# Altium PCB SensorControl_Board_v3.0.PcbDoc (continued)
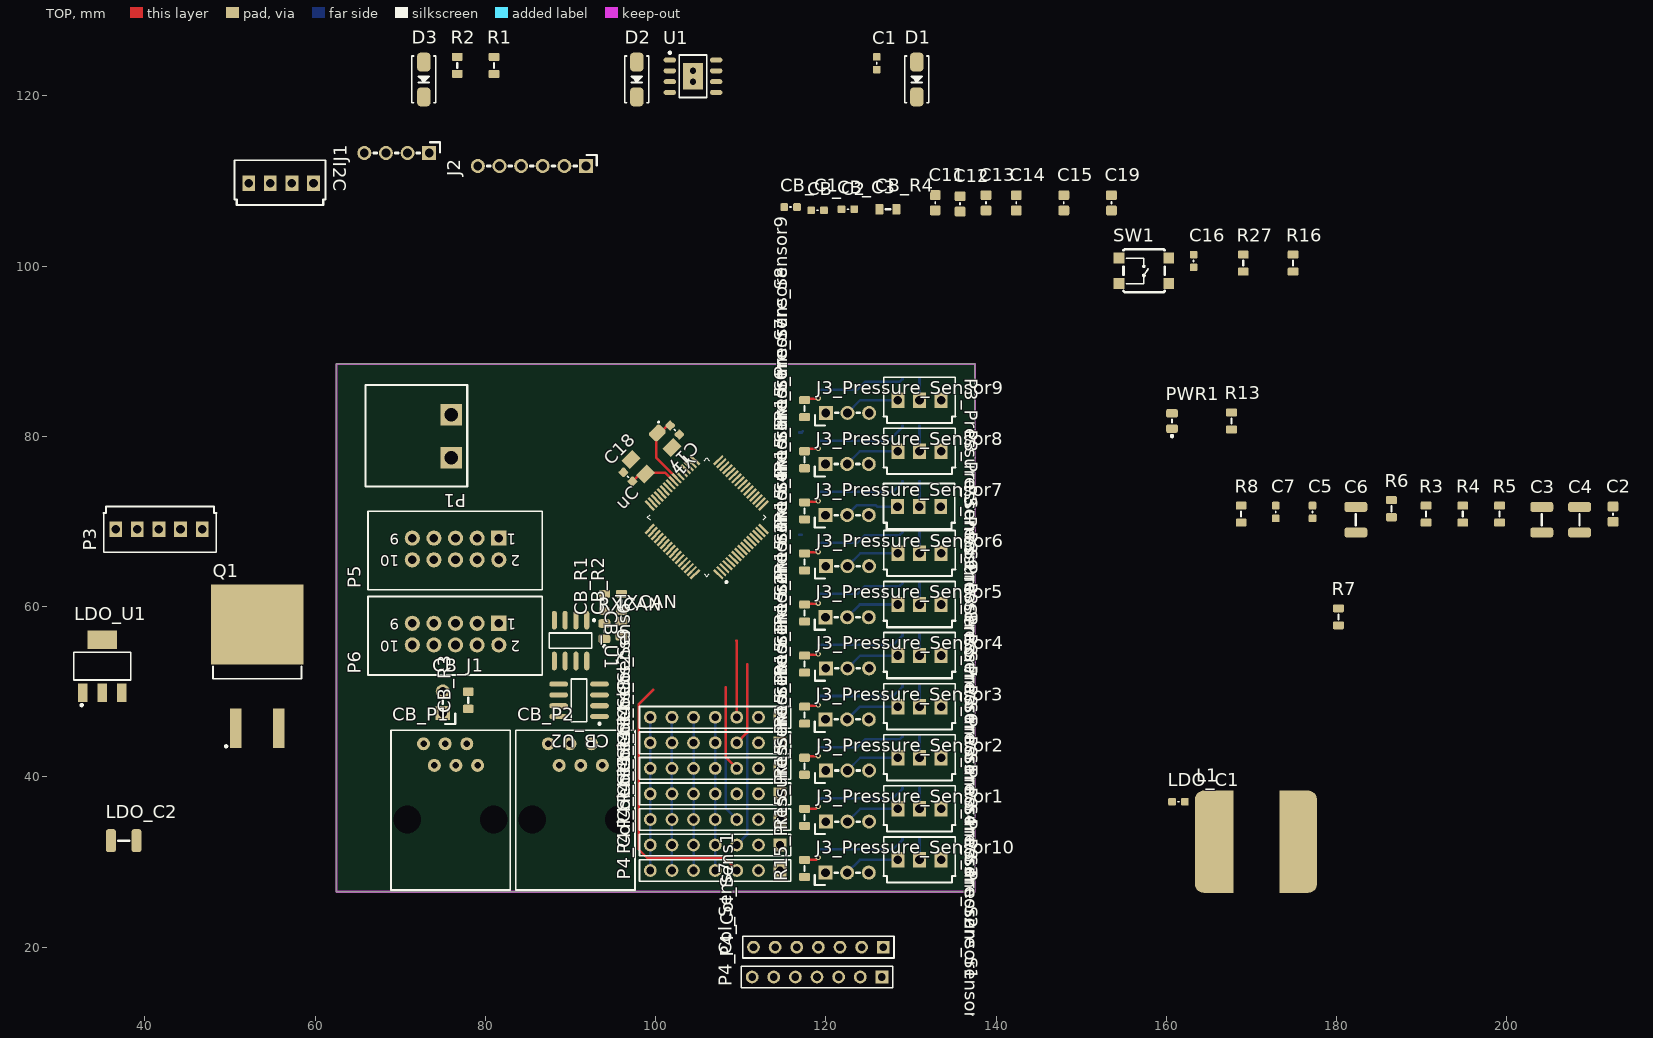
[diagram p0: TOP view]
## Components (designator, comment, footprint, x,y, rotation, side; value= is the part's Value field where it differs from the comment) (continued)
R15_Pressure_Sensor3 "10k" RESC2013X38N-0805-NOOVERLAY 117.5,47.25 r180 top (schematic designator R15)
R15_Pressure_Sensor4 "10k" RESC2013X38N-0805-NOOVERLAY 117.5,53.25 r180 top (schematic designator R15)
R15_Pressure_Sensor5 "10k" RESC2013X38N-0805-NOOVERLAY 117.5,59.25 r180 top (schematic designator R15)
R15_Pressure_Sensor6 "10k" RESC2013X38N-0805-NOOVERLAY 117.5,65.25 r180 top (schematic designator R15)
R15_Pressure_Sensor7 "10k" RESC2013X38N-0805-NOOVERLAY 117.5,71.25 r180 top (schematic designator R15)
R15_Pressure_Sensor8 "10k" RESC2013X38N-0805-NOOVERLAY 117.5,77.25 r180 top (schematic designator R15)
R15_Pressure_Sensor9 "10k" RESC2013X38N-0805-NOOVERLAY 117.5,83.25 r180 top (schematic designator R15)
R15_Pressure_Sensor10 "10k" RESC2013X38N-0805-NOOVERLAY 117.5,29.25 r180 top (schematic designator R15)
R16 "10k" RESC2013X38N-0805-NOOVERLAY 174.879,100.346 r0 top
R27 "1k" RESC2013X38N-0805-NOOVERLAY 169.037,100.346 r0 top
RXCAN "LED GREEN" LED_GREEN_0805 93.977,57.117 r90 top
SW1 "TASTER" TASTER_SMD 157.353,99.457 r0 top
TXCAN "LED GREEN" LED_GREEN_0805 96,57.4 r90 top
U1 "TPS54340" HSOP-8 104.394,122.301 r0 top
uC "" TQFP-64-500um 106,70.5 r45 top
Y1 "8Hz" ABM10 99.5,78 r225 top

## Footprints (in the part's own frame and the unit in brackets; to place one, negate y for a bottom-side part, rotate by r counter-clockwise, add the part's x,y. Pads: shape width x height; smd on the part's side, far side on the other; paste and mask are expansions set on the pad)
ABM10 [mm] "0.098\" L x 0.079\" W (2.50mm x 2.00mm)"
  rrect50% 1.8x1.4 smd: 1(-2.2,-1.2)
  rect 1.8x1.4 smd: 2(2.2,-1.2) 3(2.2,1.2) 4(-2.2,1.2)
  silkscreen extent -3.24,-2.04 -3.16,-1.96, body extent -3,-1.7 3,1.9, height 1.21
BAT54S [mm]
  rect 1.1x0.6 smd: 1(-1.1,0.95) 2(-1.1,-0.95) 3(1.1,0)
  silkscreen extent -1.65,-1.48 0.2,1.5, body extent -1.24,-1.48 1.24,1.48, height 1.15
CER_0603 [mm]
  rrect30% 0.9x0.9 smd: 1(0,0.75) 2(0,-0.75)
  silkscreen extent 0,-0.08 0,0.08, body extent -0.4,-0.8 0.4,0.8, height 0.79
CER_0805 [mm]
  rrect30% 1.27x1.15 smd: 1(0,0.9) 2(0,-0.9)
  silkscreen extent 0,-0.1 0,0.1, body extent -0.62,-1 0.63,1, height 0.6
CER_1210 [mm]
  rrect50% 2.7x1.15 smd: 1(0.003,1.474) 2(0.003,-1.526)
  silkscreen extent 0,-0.71 0,0.66, body extent -1.25,-1.6 1.25,1.6, height 1
CONNECTOR_2X5 [mil] "Connector; 5x2 Position"
  rect 70x70 hole 40: 1(0,0)
  round 70 hole 40: 2(0,100) 3(100,0) 4(100,100) 5(200,0) 6(200,100) 7(300,0) 8(300,100) 9(400,0) 10(400,100)
  silkscreen extent -201,-124 605,239, body extent -200,-125 600,237, height 372
D2PAK-2 [mil]
  rect 54x183 smd: 1(-102.5,-163.06) 3(97.5,-163.06)
  rect 426x370 smd: 2(-2.5,316.8)
  silkscreen extent -207,-252 202,124, body extent -212,-180 208,445, height 190
DO214AC [mm] "Diode,Molded Body;5.105mm L X 2.665mm W X 2.29mm H"
  rrect50% 2.2x1.55 smd: 1(-2.05,0) 2(2.05,0)
  silkscreen extent -2.75,-1.4 2.75,1.4, body extent -2.75,-1.4 2.75,1.4, height 2.6
HDR1X7 [mm] "Connector; Header; 7 Position"
  rect 1.5x1.5 hole 0.9: 1(0,0)
  round 1.5 hole 0.9: 2(2.54,0) 3(5.08,0) 4(7.62,0) 5(10.16,0) 6(12.7,0) 7(15.24,0)
  silkscreen extent -1.27,-1.27 16.51,1.27
HM1x2 [mil] "Single row pin header 1x2, 2.54mm"
  rect 65x65 hole 40: 1(-50,0)
  round 65 hole 40: 2(50,0)
  silkscreen extent -100,-57 7,0, body extent -100,-57 100,57, height 335
HM1X3 [mil] "Contact Mating Length-6.00mm"
  rect 65x65 hole 40: 1(-100,0)
  round 65 hole 40: 2(0,0) 3(100,0)
  silkscreen extent -150,-57 57,0, body extent -150,-57 150,57, height 335
HM1X4 [mil] "Contact Mating Length-6.00mm"
  rect 65x65 hole 40: 1(-150,0)
  round 65 hole 40: 2(-50,0) 3(50,0) 4(150,0)
  silkscreen extent -200,-50 107,0, body extent -200,-50 200,50, height 336
HM1X6 [mil] "Contact Mating Length-6.00mm"
  rect 65x65 hole 40: 1(-250,0)
  round 65 hole 40: 2(-150,0) 3(-50,0) 4(50,0) 5(150,0) 6(250,0)
  silkscreen extent -300,-50 207,0, body extent -300,-57 300,57, height 335
HSOP-8 [mm] "SOIC, 8-Leads, Body 4.90x3.90mm, Pitch 1.27mm, Thermal Pad 3.10x2.40mm, IPC Medium Density"
  oval 1.45x0.6 smd: 1(-2.725,1.905) 2(-2.725,0.635) 3(-2.725,-0.635) 4(-2.725,-1.905) 5(2.725,-1.905) 6(2.725,-0.635) 7(2.725,0.635) 8(2.725,1.905)
  rect 2.4x3.1 all layers, no hole: 9(0,0)
  silkscreen extent -2.85,-2.5 1.6,2.88, body extent -3.02,-2.36 3.01,2.34, height 1.7
INDUCTOR_SS1260-103MLD [mil]
  rect 75x472.44 smd: 1(144,15) 2(-144,15)
  rrect50% 157.48x472.44 smd: 1(202,15) 2(-205,15)
  body extent -247,-231 245,261, height 315
LED_GREEN_0805 [mm] "Diode GREEN;2.00mm L X 1.25mm W X 1.20mm H"
  rrect50% 1x1.4 smd: 1(-0.9,0) 2(0.9,0)
  silkscreen extent -1.9,-0.13 0.18,0.13, body extent -1.01,-0.62 1.01,0.63, height 1.1
LED_RED_0805 [mm] "Diode 2.00mm L X 1.25mm W X 1.20mm H"
  rrect50% 1x1.4 smd: 1(-0.9,0) 2(0.9,0)
  silkscreen extent -1.9,-0.13 0.18,0.13, body extent -1.05,-0.67 1.05,0.68, height 0.9
PWR_Con [mm]
  rect 2.54x2.54 hole 1.6: 1(0,0) 2(0,5.029)
  silkscreen extent -1.88,-3.51 10.06,8.42, body extent -2.01,-3.59 10,8.57, height 8.73
RESC2013X38N-0805-NOOVERLAY [mm] "Resistor,Chip;2.03mm L X 1.27mm W X 0.6mm H"
  rrect30% 1.27x0.95 smd: 1(0,1) 2(0,-1)
  silkscreen extent 0,-0.29 0,0.29, body extent -0.62,-1 0.63,1, height 0.5
RJ11-6N-B [mm] "RJ11 MODULAR JACK 6 POSITION, 1 PORT"
  round 1.524 hole 0.76: 1(7.19,3.76) 2(4.65,2.49) 3(7.19,1.22) 4(4.65,-0.05) 5(7.19,-1.32) 6(4.65,-2.59)
  round 0 hole 3.25: M1(-1.7,5.66) M2(-1.7,-4.5)
  silkscreen extent -9.98,-6.42 8.79,7.58, body extent -9.71,-6.01 8.49,7.29, height 11.5
SOIC-8 [mm]
  oval 2.2x0.6 smd: 1(-2.409,1.914) 2(-2.409,0.644) 3(-2.409,-0.626) 4(-2.409,-1.896) 5(2.391,-1.896) 6(2.391,-0.626) 7(2.391,0.644) 8(2.391,1.914)
  silkscreen extent -2.53,-2.49 0.89,2.89, body extent -2.84,-2.45 2.93,2.45, height 1.45
SOT223 [mm] "SOT-223/SC-73; 4 Leads; Body 6.7 x 7.3 mm, inc. leads (LxW max)"
  rect 1.1x2.15 smd: 1(-2.3,-3.1) 2(0,-3.1) 3(2.3,-3.1)
  rect 3.5x2.15 smd: 4(0,3.1)
  silkscreen extent -3.35,-4.7 3.35,1.63, body extent -3.25,-3.6 3.25,3.4, height 1.7
TANT_1210 [mm]
  rrect50% 2.7x1.15 smd: 1(0.003,1.474) 2(0.003,-1.526)
  silkscreen extent 0,-0.71 0,0.66, body extent -1.4,-1.83 1.4,1.83, height 1.92
TASTER_SMD [mm]
  rect 1.27x1.27 smd: 0(2.921,-1.5) 0(2.921,1.5) 1(-2.921,1.5) 2(-2.921,-1.5)
  silkscreen extent -2.39,-2.52 2.43,2.51, body extent -3.15,-2.52 3.15,2.51, height 3.3
"TE CONNECTIVITY_3PIN_MALE" [mm] "BLUE_3PIN_CONECTOR"
  rect 1.5x1.8 hole 1.016: 1(0,0) 2(2.54,0) 3(5.08,0)
  silkscreen extent -1.65,-2.67 6.73,2.7, body extent -1.27,-2.5 6.35,2.5, height 11.43
"TE CONNECTIVITY_4PIN_MALE" [mm] "BLUE_4PIN_CONECTOR"
  rect 1.5x1.8 hole 1.016: 1(0,0) 2(2.54,0) 3(5.08,0) 4(7.62,0)
  silkscreen extent -1.65,-2.54 9.02,2.7, body extent -1.27,-2.5 8.89,2.5, height 11.43
"TE CONNECTIVITY_5PIN_MALE" [mm] "BLUE_5PIN_CONECTOR"
  rect 1.5x1.8 hole 1.016: 1(0,0) 2(2.54,0) 3(5.08,0) 4(7.62,0) 5(10.16,0)
  silkscreen extent -1.65,-2.67 11.56,2.7, body extent -1.4,-2.46 11.3,2.54, height 11.43
TQFP-64-500um [mm]
  rect 0.3x1.5 smd mask+0: 1(-3.75,-5.7) 2(-3.25,-5.7) 3(-2.75,-5.7) 4(-2.25,-5.7) 5(-1.75,-5.7) 6(-1.25,-5.7) 7(-0.75,-5.7) 8(-0.25,-5.7) 9(0.25,-5.7) 10(0.75,-5.7) 11(1.25,-5.7) 12(1.75,-5.7) 13(2.25,-5.7) 14(2.75,-5.7) 15(3.25,-5.7) 16(3.75,-5.7) 33(3.75,5.7) 34(3.25,5.7) 35(2.75,5.7) 36(2.25,5.7) 37(1.75,5.7) 38(1.25,5.7) 39(0.75,5.7) 40(0.25,5.7) 41(-0.25,5.7) 42(-0.75,5.7) 43(-1.25,5.7) 44(-1.75,5.7) 45(-2.25,5.7) 46(-2.75,5.7) 47(-3.25,5.7) 48(-3.75,5.7)
  rect 1.5x0.3 smd mask+0: 17(5.7,-3.75) 18(5.7,-3.25) 19(5.7,-2.75) 20(5.7,-2.25) 21(5.7,-1.75) 22(5.7,-1.25) 23(5.7,-0.75) 24(5.7,-0.25) 25(5.7,0.25) 26(5.7,0.75) 27(5.7,1.25) 28(5.7,1.75) 29(5.7,2.25) 30(5.7,2.75) 31(5.7,3.25) 32(5.7,3.75) 49(-5.7,3.75) 50(-5.7,3.25) 51(-5.7,2.75) 52(-5.7,2.25) 53(-5.7,1.75) 54(-5.7,1.25) 55(-5.7,0.75) 56(-5.7,0.25) 57(-5.7,-0.25) 58(-5.7,-0.75) 59(-5.7,-1.25) 60(-5.7,-1.75) 61(-5.7,-2.25) 62(-5.7,-2.75) 63(-5.7,-3.25) 64(-5.7,-3.75)
  silkscreen extent -4.92,-7.1 4.92,4.92, body extent -5.79,-5.76 5.79,5.82, height 1

## Part data
C1 C16 CB_C1 CB_C2 CB_C3 LDO_C1: library part 06032105, "CAP CER 100n 10V X5R 10% 0603", Capacitance=100n
C2: library part 00002105, "CAP CER 100n 50V X7R 10% 0805", Capacitance=100nF
C3 C4: library part 00001225, "CAP CER 2.2u"
C5: library part 06032680, "CAP CER 68p 0603", Capacitance=68p
C6: library part 00002108, "CAP CER 100u X5R 6.3V 10% 1210", Capacitance=100uF
C7: library part 06032153, "CAP CER 15n 0603", Capacitance=15n
C11 C12 C13 C14 C15 C19: library part 0100000001868, Manufacturer=Yageo, Manufacturer Part Number=CC0805KRX7R9BB104, Package Case=0805, Recommended Rating=Platinum, Temperature Coefficient=X7R, Tolerance=10%, Voltage Rated=50, Assembly=SMD, Barcode=0100000001868, Capacitance=100n, Category=Capacitors, Family="CERAMIC CAPACITOR", id=136, item_id=450, Part Type=Capacitors
C17 C18: library part 00002200, "CAP CER 20p 0805", Capacitance=20pF
CB_J1: library part HEADER_1x2
CB_P1 CB_P2: library part 00000001, Manufacturer Part Number=RJ-11
CB_R1 CB_R2 R13 R27: library part 00001001, "RES SMD 1 kOhm 1/8W 0805", Power="0.125W, 1/8W", Assembly=SMD, Barcode=00009101, Resistance=1k
CB_R3: library part 000001200, "RES SMD 120 Ohm 1/8W 0805", Resistance=120R
CB_R4 R14_Pressure_Sensor1 R14_Pressure_Sensor2 R14_Pressure_Sensor3 R14_Pressure_Sensor4 R14_Pressure_Sensor5 R14_Pressure_Sensor6 R14_Pressure_Sensor7 R14_Pressure_Sensor8 R14_Pressure_Sensor9 R14_Pressure_Sensor10 R15_Pressure_Sensor1 R15_Pressure_Sensor2 R15_Pressure_Sensor3 R15_Pressure_Sensor4 R15_Pressure_Sensor5 R15_Pressure_Sensor6 R15_Pressure_Sensor7 R15_Pressure_Sensor8 R15_Pressure_Sensor9 R15_Pressure_Sensor10 R16: library part 000001002, "RES SMD 10 kOhm 1/8W 0805", Resistance=10k
CB_U1: library part ADUM1201BRZ, "DGTL ISO 2.5KV GEN PURP 8SOIC", Package=SOIC-8, Assembly=SMD, Barcode=00000001, Category="Integrated Circuits (ICs)", Datasheet Link=http://www.analog.com/media/en/technical-documentation/data-sheets/ADuM1200_1201.pdf, Family=Comunication, Manufacturer Part Number=ADUM1201BRZ-RL7
CB_U2: library part SN65HVD230, "IC EMC CAN TRANSCEIVER 8-SOIC", Package=SOIC-8, Assembly=SMD, Barcode=00000001, Category="Integrated Circuits (ICs)", Comet Product Page=http://store.comet.rs/Catalogue/Product/9057/, Datasheet Link=http://www.ti.com/lit/ds/symlink/sn65hvd232.pdf, Family=Comunication, Manufacturer Part Number=SN65HVD230DR
D1: "DIODE SCHOTTKY 60V 3A DO214AC", Current  Average Rectified=3A, Manufacturer="Vishay Semiconductor Diodes Division", Package Case="DO-214AC, SMA", Recommended Rating=Silver, Voltage  DC Reverse=60V, Voltage  Forward="550mV @ 3A", Assembly=SMD, Barcode=0100000007488, Category="Discrete Semiconductor Products", Datasheet URL=http://www.vishay.com/docs/88896/b330la.pdf, Diode Type=Schottky, Family=DIODE, id=62, item_id=1025, Manufacturer Part Number=B360B, Part Type="Discrete Semiconductors", Speed="Fast Recovery =< 500ns, > 200mA (Io)"
D2: "DIODE SCHOTTKY 40V 3A DO214AC", Current  Average Rectified=3A, Manufacturer="Vishay Semiconductor Diodes Division", Package Case="DO-214AC, SMA", Recommended Rating=Silver, Voltage  DC Reverse=40V, Voltage  Forward="550mV @ 3A", Assembly=SMD, Barcode=0100000007488, Category="Discrete Semiconductor Products", Datasheet URL=http://www.vishay.com/docs/88896/b330la.pdf, Diode Type=Schottky, Family=DIODE, id=62, item_id=1025, Manufacturer Part Number=SK34, Part Type="Discrete Semiconductors", Speed="Fast Recovery =< 500ns, > 200mA (Io)"
D3: library part ZENER, "DIODE ZENER", Current  Average Rectified=3A, Manufacturer="Vishay Semiconductor Diodes Division", Manufacturer Part Number=B360B, Package Case="DO-214AC, SMA", Recommended Rating=Silver, Voltage  DC Reverse=60V, Voltage  Forward="550mV @ 3A", Assembly=SMD, Barcode=0100000007488, Category="Discrete Semiconductor Products", Datasheet URL=http://www.vishay.com/docs/88896/b330la.pdf, Diode Type=Schottky, Family=DIODE, id=62, item_id=1025, Part Type="Discrete Semiconductors", Refferent Voltage=12V, Speed="Fast Recovery =< 500ns, > 200mA (Io)"
I2C: "BLUE_4PIN_CONECTOR", Manufacturer="TE CONNECTIVITY / AMP", Manufacturer Part Number 1=281695-3, Order Code 1=1205983, Price 1=L0.403, Supplier 1=uk.farnell.com
J3_Pressure_Sensor1 J3_Pressure_Sensor2 J3_Pressure_Sensor3 J3_Pressure_Sensor4 J3_Pressure_Sensor5 J3_Pressure_Sensor6 J3_Pressure_Sensor7 J3_Pressure_Sensor8 J3_Pressure_Sensor9 J3_Pressure_Sensor10: library part HEADER_1x3
L1: library part Inductor_10uH, "FIXED IND 10uH 5.3A", Current Rating=5.3A, DC Resistance=62.7mOhm, Manufacturer=Coilcraft, Manufacturer Part Number=XAL7030-103MEB, Package Case=8x8mm, Tolerance=20%, Assembly=SMD, Barcode=2911010049126, Category="Inductors, Coils, Chokes", Datasheet URL=http://www.mouser.com/ds/2/597/xal7030-270749.pdf, Family=INDUCTOR, id=7, Inductance=10uH, item_id=5593, Part Type="Inductor, Transf, Filter, Ferrite"
LDO_C2: library part 00001106, "CAP TANT 10u"
LDO_U1: library part LM2937, "IC REG LINEAR 5V 400MA SOT223-4", Datasheet Link=http://www.ti.com/lit/ds/symlink/lm2937.pdf, Manufacturer Part Number=LM2937-5
P1: library part 00000002, "TERM BLOCK HDR 2POS 90DEG 5.08MM", Manufacturer Part Number=2EDGRC-5.08-02P-14-00A(H), Price=0.1304, Suplier=TME, Suplier Product Link=https://www.tme.eu/en/details/2edgrc5.08-2p14/pluggable-terminal-blocks/degson-electronics/2edgrc-508-02p-14-00ah/
P3: library part "TE CONNECTIVITY_5PIN_MALE", "BLUE_5PIN_CONECTOR", Manufacturer="TE CONNECTIVITY / AMP", Manufacturer Part Number 1=281695-3, Order Code 1=1205983, Price 1=£0.403, Supplier 1=uk.farnell.com
P3_Pressure_Sensor1 P3_Pressure_Sensor2 P3_Pressure_Sensor3 P3_Pressure_Sensor4 P3_Pressure_Sensor5 P3_Pressure_Sensor6 P3_Pressure_Sensor7 P3_Pressure_Sensor8 P3_Pressure_Sensor9 P3_Pressure_Sensor10: "BLUE_3PIN_CONECTOR", Manufacturer="TE CONNECTIVITY / AMP", Manufacturer Part Number 1=281695-3, Order Code 1=1205983, Price 1=£0.403, Supplier 1=uk.farnell.com
P4_Col_Sens1 P4_Col_Sens2 P4_Col_Sens3 P4_Col_Sens4 P4_Col_Sens5 P4_Col_Sens6 P4_Col_Sens7 P4_Col_Sens8 P4_Col_Sens9: "Header, 7-Pin", LatestRevisionDate=17-Jul-2002, LatestRevisionNote="Re-released for DXP Platform.", Publisher="Altium Limited"
P5 P6: "Header, 5-Pin, Dual row", LatestRevisionDate=17-Jul-2002, LatestRevisionNote="Re-released for DXP Platform.", Publisher="Altium Limited"
PWR1: library part LED_RED_0805, "LED RED 0805", Color=Red, Manufacturer="BRIGHT LED ELECTRONICS", Manufacturer Part Number=BL-HUB35A-AV-TRB, Package Case="0805 (2012 Metric)", Recommended Rating=Platinum, Voltage Forward="2.0 V", Assembly=SMD, Barcode=2911010024321, Family=LED, id=35, item_id=3341, Part Type=Optoelectronics
Q1: library part IRF9540N, "P-MOS", Manufacturer="INTERNATIONAL RECTIFIER", Package="TO-263 SMD", Manufacturer Part Number=IRF9540NSPBF, Order Code=IRF9540NS, Price="DIN 62.54", Supplier=Comet.rs
R1: library part 00003303, "RES SMD 330 kOhm 1/8W 0805", Power="0.125W, 1/8W", Assembly=SMD, Barcode=00003303, Resistance=330k
R2: library part 00005102, "RES SMD 51 kOhm 1/8W 0805", Power="0.125W, 1/8W", Assembly=SMD, Barcode=00005102, Resistance=51k
R3: library part 00005602, "RES SMD 56 kOhm 1/8W 0805", Power="0.125W, 1/8W", Assembly=SMD, Barcode=00004701, Resistance=56k
R4: library part 00001603, "RES SMD 160 kOhm 1/8W 0805", Power="0.125W, 1/8W", Assembly=SMD, Barcode=00001603, Resistance=160k
R5: library part 00001502, "RES SMD 15 kOhm 1/8W 0805", Power="0.125W, 1/8W", Assembly=SMD, Barcode=00001502, Resistance=15k
R6: library part 00009101, "RES SMD 9.1 kOhm 1/8W 0805", Power="0.125W, 1/8W", Assembly=SMD, Barcode=00009101, Resistance=9.1k
R7: library part 00002701, "RES SMD 2.7 kOhm 1/8W 0805", Power="0.125W, 1/8W", Assembly=SMD, Barcode=00004701, Resistance=2.7k
R8: library part 00006200, "RES SMD 620 Ohm 1/8W 0805", Power="0.125W, 1/8W", Assembly=SMD, Barcode=00006200, Resistance=620R
RXCAN TXCAN: library part "LED_GREEN 0805", "LED GREEN CLEAR 0805 SMD", Color=Green, Lens Color=Colorless, Manufacturer=Kingbright, Manufacturer Part Number=APT2012SGC, Package Case="0805 (2012 Metric)", Recommended Rating=Platinum, Voltage Forward=2.2V, Assembly=SMD, Barcode=2911010024338, Category=Optoelectronics, Datasheet URL=http://www.kingbrightusa.com/images/catalog/SPEC/APT2012SGC.pdf, Family=LED, id=28, item_id=3342, Lens Transparency=Clear, Part Type=Optoelectronics, Wavelength=568nm
U1: "IC REG BUCK ADJ 3.5A 8SOPWRPAD", Assembly=SMD, Manufacturer Part Number=TPS54340
uC: library part PIC32MK1024MCF064, "IC MCU 32BIT 1MB FLASH 64TQFP", Manufacturer Part Number=PIC32MK1024MCF064
Y1: library part QUARTZ_8MHz, "CRYSTAL 8.0000MHZ 18PF SMD", Equivalent Series Resistance="72 Ohm", Frequency Stability=±30ppm, Load Capacitance=18pF, Manufacturer=ABRACON, Manufacturer Part Number=ABMM2-8.000MHZ-E2-T, Package Case="4-SMD, No Lead (DFN, LCC)", Assembly=SMD, Category="Crystals and Oscillators", Datasheet URL=http://www.abracon.com/Resonators/ABMM2.pdf, Family=CRYSTAL, Frequency=8Hz, Frequency Tolerance=±30ppm, id=17, item_id=4360, Part Type="Crystals, Oscillators", Size Dimension="0.126\" L x 0.098\" W (3.20mm x 2.50mm)"

## Via types
v1: diameter 0.6, hole 0.3, TOP to BOT, 10 vias
v2: diameter 1.27, hole 0.762, TOP to BOT, 2 vias

## Nets (pads, with @x,y where several pads share a name; then routed paths per layer and width w, separated by ;. In a path a pad name is that pad's centre, name@x,y a point inside that pad or via, vN(x,y) a via of type N, cw(c..) or ccw(c..) an arc to the next point about the centre after c; other vN are vias at no path point)
AN1: P5.1 uC.6
AN2: P5.2 uC.24
AN3: P5.3 uC.28
AN4: P5.4 uC.29
CAN_RX: CB_U1.2 uC.30
CAN_TX: CB_U1.3 uC.31
GND: C3.1 C4.1 C5.1 C6.1 C7.1 C11.1 C12.1 C13.1 C14.1 C15.1 C16.1 C17.1 C18.1 C19.1 CB_C1.1 CB_C2.1 CB_C3.1 CB_P1.5 CB_P2.5 CB_R4.1 CB_U1.4 CB_U1.5 CB_U2.2 D1.2 D4_Pressure_Sensor1.1 D4_Pressure_Sensor2.1 D4_Pressure_Sensor3.1 D4_Pressure_Sensor4.1 D4_Pressure_Sensor5.1 D4_Pressure_Sensor6.1 D4_Pressure_Sensor7.1 D4_Pressure_Sensor8.1 D4_Pressure_Sensor9.1 D4_Pressure_Sensor10.1 I2C.2 J1.4 J2.6 LDO_C1.1 LDO_C2.2 LDO_U1.2 LDO_U1.4 P1.1 P3.3 P3_Pressure_Sensor1.3 P3_Pressure_Sensor2.3 P3_Pressure_Sensor3.3 P3_Pressure_Sensor4.3 P3_Pressure_Sensor5.3 P3_Pressure_Sensor6.3 P3_Pressure_Sensor7.3 P3_Pressure_Sensor8.3 P3_Pressure_Sensor9.3 P3_Pressure_Sensor10.3 P4_Col_Sens1.2 P4_Col_Sens2.2 P4_Col_Sens3.2 P4_Col_Sens4.2 P4_Col_Sens5.2 P4_Col_Sens6.2 P4_Col_Sens7.2 P4_Col_Sens8.2 P4_Col_Sens9.2 P5.8 P5.10 P6.8 P6.10 PWR1.1 R3.1 R4.1 R7.1 R8.1 R15_Pressure_Sensor1.1 R15_Pressure_Sensor2.1 R15_Pressure_Sensor3.1 R15_Pressure_Sensor4.1 R15_Pressure_Sensor5.1 R15_Pressure_Sensor6.1 R15_Pressure_Sensor7.1 R15_Pressure_Sensor8.1 R15_Pressure_Sensor9.1 R15_Pressure_Sensor10.1 SW1.1 U1.7 U1.9 uC.9 uC.20 uC.25 uC.41 uC.56 Y1.2 Y1.4
  other v2: 104.394,121.666 104.394,122.936
M\C\L\R\: P3.1 R27.2 uC.7
NetC1_1: C1.1 U1.1
NetC1_2: C1.2 D1.1 L1.1 U1.8
NetC2_1: C2.1 D3.2 Q1.1 R7.2
NetC3_2: C3.2 C4.2 D2.1 R1.2 U1.2
NetC5_2: C5.2 R5.2 U1.6
NetC7_2: C7.2 R5.1
NetC16_2: C16.2 R16.1 R27.1 SW1.2
NetCB_J1_1: CB_J1.1 CB_P1.3 CB_P2.3 CB_U2.7
NetCB_J1_2: CB_J1.2 CB_R3.2
NetCB_P1_4: CB_P1.4 CB_P2.4 CB_R3.1 CB_U2.6
NetCB_R1_1: CB_R1.1 RXCAN.2
NetCB_R2_1: CB_R2.1 TXCAN.2
NetCB_R4_2: CB_R4.2 CB_U2.8
NetCB_U1_6: CB_U1.6 CB_U2.1 TXCAN.1
NetCB_U1_7: CB_U1.7 CB_U2.4 RXCAN.1
NetJ3_Pressure_Sensor1_2: J3_Pressure_Sensor1.2 P3_Pressure_Sensor1.1 | length 6.5
  BOT w0.3: J3_Pressure_Sensor1.2 124.04,36.25 P3_Pressure_Sensor1.1
NetJ3_Pressure_Sensor2_2: J3_Pressure_Sensor2.2 P3_Pressure_Sensor2.1 | length 6.5
  BOT w0.3: J3_Pressure_Sensor2.2 124.04,42.25 P3_Pressure_Sensor2.1
NetJ3_Pressure_Sensor3_2: J3_Pressure_Sensor3.2 P3_Pressure_Sensor3.1 | length 6.6
  BOT w0.3: J3_Pressure_Sensor3.2 124,48.25 P3_Pressure_Sensor3.1
NetJ3_Pressure_Sensor4_2: J3_Pressure_Sensor4.2 P3_Pressure_Sensor4.1 | length 6.5
  BOT w0.3: J3_Pressure_Sensor4.2 124.04,54.25 P3_Pressure_Sensor4.1
NetJ3_Pressure_Sensor5_2: J3_Pressure_Sensor5.2 P3_Pressure_Sensor5.1 | length 6.8
  BOT w0.3: J3_Pressure_Sensor5.2@122.5,58.5 J3_Pressure_Sensor5.2 124,60.25 P3_Pressure_Sensor5.1
NetJ3_Pressure_Sensor6_2: J3_Pressure_Sensor6.2 P3_Pressure_Sensor6.1 | length 6.5
  BOT w0.3: J3_Pressure_Sensor6.2 124.04,66.25 P3_Pressure_Sensor6.1
NetJ3_Pressure_Sensor7_2: J3_Pressure_Sensor7.2 P3_Pressure_Sensor7.1 | length 6.5
  BOT w0.3: J3_Pressure_Sensor7.2 123.675,71.926 125.843,71.926 126.018,71.75 P3_Pressure_Sensor7.1
NetJ3_Pressure_Sensor8_2: J3_Pressure_Sensor8.2 P3_Pressure_Sensor8.1 | length 6.6
  BOT w0.3: J3_Pressure_Sensor8.2 124,78.25 P3_Pressure_Sensor8.1
NetJ3_Pressure_Sensor9_2: J3_Pressure_Sensor9.2 P3_Pressure_Sensor9.1 | length 6.5
  BOT w0.3: J3_Pressure_Sensor9.2 124.04,84.25 P3_Pressure_Sensor9.1
NetJ3_Pressure_Sensor10_2: J3_Pressure_Sensor10.2 P3_Pressure_Sensor10.1 | length 6.6
  BOT w0.3: J3_Pressure_Sensor10.2 124,30.25 P3_Pressure_Sensor10.1
NetP1_2: P1.2 Q1.2
NetP3_Pressure_Sensor1_2: P3_Pressure_Sensor1.2 R14_Pressure_Sensor1.1 | length 2.5
  BOT w0.3: P3_Pressure_Sensor1.2 R14_Pressure_Sensor1.1
NetP3_Pressure_Sensor2_2: P3_Pressure_Sensor2.2 R14_Pressure_Sensor2.1 | length 2.5
  BOT w0.3: P3_Pressure_Sensor2.2 R14_Pressure_Sensor2.1
NetP3_Pressure_Sensor3_2: P3_Pressure_Sensor3.2 R14_Pressure_Sensor3.1 | length 2.5
  BOT w0.3: P3_Pressure_Sensor3.2 R14_Pressure_Sensor3.1
NetP3_Pressure_Sensor4_2: P3_Pressure_Sensor4.2 R14_Pressure_Sensor4.1 | length 2.5
  BOT w0.3: P3_Pressure_Sensor4.2 R14_Pressure_Sensor4.1
NetP3_Pressure_Sensor5_2: P3_Pressure_Sensor5.2 R14_Pressure_Sensor5.1 | length 2.5
  BOT w0.3: P3_Pressure_Sensor5.2 R14_Pressure_Sensor5.1
NetP3_Pressure_Sensor6_2: P3_Pressure_Sensor6.2 R14_Pressure_Sensor6.1 | length 2.5
  BOT w0.3: P3_Pressure_Sensor6.2 R14_Pressure_Sensor6.1
NetP3_Pressure_Sensor7_2: P3_Pressure_Sensor7.2 R14_Pressure_Sensor7.1 | length 3
  BOT w0.3: P3_Pressure_Sensor7.2 131,71.79 R14_Pressure_Sensor7.1
NetP3_Pressure_Sensor8_2: P3_Pressure_Sensor8.2 R14_Pressure_Sensor8.1 | length 3
  BOT w0.3: P3_Pressure_Sensor8.2 R14_Pressure_Sensor8.1
NetP3_Pressure_Sensor9_2: P3_Pressure_Sensor9.2 R14_Pressure_Sensor9.1 | length 2.5
  BOT w0.3: P3_Pressure_Sensor9.2 R14_Pressure_Sensor9.1
NetP3_Pressure_Sensor10_2: P3_Pressure_Sensor10.2 R14_Pressure_Sensor10.1 | length 2.5
  BOT w0.3: P3_Pressure_Sensor10.2 R14_Pressure_Sensor10.1
NetPWR1_2: PWR1.2 R13.1
NetR1_1: R1.1 R3.2 U1.3
NetR2_1: R2.1 R6.2 U1.5
NetR4_2: R4.2 U1.4
NetR6_1: R6.1 R8.2
OSC1: C17.2 uC.39 Y1.1 | length 8.3
  TOP w0.3: C17.2 101.401,81.28 100.525,80.404 Y1.1 100.066,80.263 100.066,77.495 uC.39
OSC2: C18.2 uC.40 Y1.3 | length 5.7
  TOP w0.3: C18.2 98.156,75.596 Y1.3 98.934,75.737 101.116,75.737 uC.40
PGEC: P3.5 uC.44
PGED: P3.4 uC.43
PS1: D4_Pressure_Sensor1.3 R14_Pressure_Sensor1.2 R15_Pressure_Sensor1.2 uC.13 | length 13.8
  TOP w0.3: R15_Pressure_Sensor1.2@117.693,36.443 R15_Pressure_Sensor1.2 118.769,36.25 119.019,36.5 v1(119.1,36.5) v1@119.043,36.443
  BOT w0.3: v1(119.1,36.5) D4_Pressure_Sensor1.3 D4_Pressure_Sensor1.3@119.274,37.5 ; D4_Pressure_Sensor1.3@119.424,37.35 D4_Pressure_Sensor1.3@119.274,37.5 ; R14_Pressure_Sensor1.2 129,38.59 127.91,37.5 D4_Pressure_Sensor1.3@119.274,37.5
PS2: D4_Pressure_Sensor2.3 R14_Pressure_Sensor2.2 R15_Pressure_Sensor2.2 uC.14 | length 13.1
  TOP w0.3: R15_Pressure_Sensor2.2 117.668,42.418 119.043,42.418 v1(119.1,42.475)
  BOT w0.3: v1(119.1,42.475) D4_Pressure_Sensor2.3 123.705,43.5 124.613,44.408 128.675,44.408 129,44.733 R14_Pressure_Sensor2.2
PS3: D4_Pressure_Sensor3.3 R14_Pressure_Sensor3.2 R15_Pressure_Sensor3.2 uC.15 | length 13.3
  TOP w0.3: R15_Pressure_Sensor3.2 117.618,48.368 119.043,48.368 v1(119.1,48.425)
  BOT w0.3: v1(119.1,48.425) D4_Pressure_Sensor3.3 127.91,49.5 129,50.59 R14_Pressure_Sensor3.2
PS4: D4_Pressure_Sensor4.3 R14_Pressure_Sensor4.2 R15_Pressure_Sensor4.2 uC.16 | length 13.3
  TOP w0.3: R15_Pressure_Sensor4.2 117.618,54.368 119.043,54.368 v1(119.1,54.425)
  BOT w0.3: v1(119.1,54.425) D4_Pressure_Sensor4.3 127.91,55.5 129,56.59 R14_Pressure_Sensor4.2
PS5: D4_Pressure_Sensor5.3 R14_Pressure_Sensor5.2 R15_Pressure_Sensor5.2 uC.17 | length 13.2
  TOP w0.3: R15_Pressure_Sensor5.2 117.593,60.343 119.043,60.343 v1(119.1,60.4)
  BOT w0.3: v1(119.1,60.4) D4_Pressure_Sensor5.3 123.705,61.5 124.613,62.408 128.675,62.408 129,62.733 R14_Pressure_Sensor5.2
PS6: D4_Pressure_Sensor6.3 R14_Pressure_Sensor6.2 R15_Pressure_Sensor6.2 uC.18 | length 13.2
  TOP w0.3: R15_Pressure_Sensor6.2 117.618,66.368 119.043,66.368 v1(119.1,66.425)
  BOT w0.3: v1(119.1,66.425) D4_Pressure_Sensor6.3 123.705,67.5 124.613,68.408 128.675,68.408 129,68.733 R14_Pressure_Sensor6.2
PS7: D4_Pressure_Sensor7.3 R14_Pressure_Sensor7.2 R15_Pressure_Sensor7.2 uC.21 | length 13.3
  TOP w0.3: R15_Pressure_Sensor7.2 117.593,72.343 119.043,72.343 v1(119.1,72.4)
  BOT w0.3: v1(119.1,72.4) D4_Pressure_Sensor7.3 127.91,73.5 129,74.59 R14_Pressure_Sensor7.2
PS8: D4_Pressure_Sensor8.3 R14_Pressure_Sensor8.2 R15_Pressure_Sensor8.2 uC.22 | length 13.4
  TOP w0.3: R15_Pressure_Sensor8.2 117.768,78.518 119.043,78.518 v1(119.1,78.575)
  BOT w0.3: v1(119.1,78.575) D4_Pressure_Sensor8.3 127.41,79.5 129,81.09 R14_Pressure_Sensor8.2
PS9: D4_Pressure_Sensor9.3 R14_Pressure_Sensor9.2 R15_Pressure_Sensor9.2 uC.23 | length 13.1
  TOP w0.3: R15_Pressure_Sensor9.2 117.668,84.418 119.043,84.418 v1(119.1,84.475)
  BOT w0.3: v1(119.1,84.475) D4_Pressure_Sensor9.3 123.705,85.5 124.613,86.408 128.675,86.408 129,86.733 R14_Pressure_Sensor9.2
PS10: D4_Pressure_Sensor10.3 R14_Pressure_Sensor10.2 R15_Pressure_Sensor10.2 uC.12 | length 13.2
  TOP w0.3: R15_Pressure_Sensor10.2 118.825,30.25 v1(119.1,30.525)
  BOT w0.3: v1(119.1,30.525) D4_Pressure_Sensor10.3 127.91,31.5 129,32.59 R14_Pressure_Sensor10.2
QEA1: P6.2 uC.53
QEA2: P5.6 uC.49
QEA3: P6.6 uC.46
QEA6: P6.4 uC.45
QEB1: P6.1 uC.54
QEB3: P6.5 uC.48
QEB6: P6.3 uC.47
RD8: P5.5 uC.42
RX: J1.2 uC.51
S0: P4_Col_Sens1.4 P4_Col_Sens2.4 P4_Col_Sens3.4 P4_Col_Sens4.4 P4_Col_Sens5.4 P4_Col_Sens6.4 P4_Col_Sens7.4 P4_Col_Sens8.4 P4_Col_Sens9.4 uC.64 | length 18
  BOT w0.3: P4_Col_Sens5.4 P4_Col_Sens3.4 P4_Col_Sens4.4 P4_Col_Sens8.4 P4_Col_Sens2.4 P4_Col_Sens9.4 P4_Col_Sens6.4
S1: P4_Col_Sens1.5 P4_Col_Sens2.5 P4_Col_Sens3.5 P4_Col_Sens4.5 P4_Col_Sens5.5 P4_Col_Sens6.5 P4_Col_Sens7.5 P4_Col_Sens8.5 P4_Col_Sens9.5 uC.62 | length 18
  BOT w0.3: P4_Col_Sens5.5 P4_Col_Sens3.5 P4_Col_Sens4.5 P4_Col_Sens8.5 P4_Col_Sens2.5 P4_Col_Sens9.5 P4_Col_Sens6.5
S2: P4_Col_Sens1.6 P4_Col_Sens2.6 P4_Col_Sens3.6 P4_Col_Sens4.6 P4_Col_Sens5.6 P4_Col_Sens6.6 P4_Col_Sens7.6 P4_Col_Sens8.6 P4_Col_Sens9.6 uC.2 | length 18
  BOT w0.3: P4_Col_Sens5.6 P4_Col_Sens3.6 P4_Col_Sens4.6 P4_Col_Sens8.6 P4_Col_Sens2.6 P4_Col_Sens9.6 P4_Col_Sens6.6
S3: P4_Col_Sens1.7 P4_Col_Sens2.7 P4_Col_Sens3.7 P4_Col_Sens4.7 P4_Col_Sens5.7 P4_Col_Sens6.7 P4_Col_Sens7.7 P4_Col_Sens8.7 P4_Col_Sens9.7 uC.55 | length 18
  BOT w0.3: P4_Col_Sens5.7 P4_Col_Sens3.7 P4_Col_Sens4.7 P4_Col_Sens8.7 P4_Col_Sens2.7 P4_Col_Sens9.7 P4_Col_Sens6.7
S\S\: J2.2 uC.58
SCK: J2.3 uC.59
SCL: I2C.3 uC.32
SDA: I2C.4 uC.27
SDI: J2.4 uC.5
SDO: J2.5 uC.11
TCK1: P4_Col_Sens1.3 uC.33
TCK2: P4_Col_Sens2.3 uC.3 | length 10
  TOP w0.3: 108.25,50.5 108.25,42.29 P4_Col_Sens2.3
TCK3: P4_Col_Sens3.3 uC.61 | length 21.8
  BOT w0.3: P4_Col_Sens3.3 110.75,33.21 110.75,53.25
TCK4: P4_Col_Sens4.3 uC.63 | length 16
  BOT w0.3: 108.25,50.5 108.25,36.29 P4_Col_Sens4.3
TCK5: P4_Col_Sens5.3 uC.60 | length 32.1
  TOP w0.3: 99.75,50.25 98,48.5 98,31.5 99,30.5 108.04,30.5 P4_Col_Sens5.3
TCK6: P4_Col_Sens6.3 uC.4 | length 9
  TOP w0.3: 109.5,56 109.54,55.96 P4_Col_Sens6.3
TCK7: P4_Col_Sens7.3 uC.52
TCK8: P4_Col_Sens8.3 uC.1
TCK9: P4_Col_Sens9.3 uC.8 | length 9.8
  TOP w0.3: P4_Col_Sens9.3 110.75,45.21 110.75,53.253
TX: J1.3 uC.50
VCC-3V3: C11.2 C12.2 C13.2 C14.2 C15.2 C19.2 CB_C2.2 CB_C3.2 CB_P1.2 CB_P2.2 CB_R1.2 CB_R2.2 CB_U1.8 CB_U2.3 D4_Pressure_Sensor1.2 D4_Pressure_Sensor2.2 D4_Pressure_Sensor3.2 D4_Pressure_Sensor4.2 D4_Pressure_Sensor5.2 D4_Pressure_Sensor6.2 D4_Pressure_Sensor7.2 D4_Pressure_Sensor8.2 D4_Pressure_Sensor9.2 D4_Pressure_Sensor10.2 J1.1 LDO_C2.1 LDO_U1.3 P3.2 P5.7 P6.7 R13.2 R16.2 uC.10 uC.19 uC.26 uC.35 uC.38 uC.57 | length 0.7
  BOT w0.3: D4_Pressure_Sensor6.2 D4_Pressure_Sensor6.2@117.15,68.45 ; D4_Pressure_Sensor8.2 117.15,80.45 D4_Pressure_Sensor8.2@117.3,80.6
VCC-5V: C6.2 CB_C1.2 CB_U1.1 I2C.1 J2.1 J3_Pressure_Sensor1.3 J3_Pressure_Sensor2.3 J3_Pressure_Sensor3.3 J3_Pressure_Sensor4.3 J3_Pressure_Sensor5.3 J3_Pressure_Sensor6.3 J3_Pressure_Sensor7.3 J3_Pressure_Sensor8.3 J3_Pressure_Sensor9.3 J3_Pressure_Sensor10.3 L1.2 LDO_C1.2 LDO_U1.1 P4_Col_Sens1.1 P4_Col_Sens2.1 P4_Col_Sens3.1 P4_Col_Sens4.1 P4_Col_Sens5.1 P4_Col_Sens6.1 P4_Col_Sens7.1 P4_Col_Sens8.1 P4_Col_Sens9.1 P5.9 P6.9 R2.2
VCC-12V: C2.2 D2.2 D3.1 J3_Pressure_Sensor1.1 J3_Pressure_Sensor2.1 J3_Pressure_Sensor3.1 J3_Pressure_Sensor4.1 J3_Pressure_Sensor5.1 J3_Pressure_Sensor6.1 J3_Pressure_Sensor7.1 J3_Pressure_Sensor8.1 J3_Pressure_Sensor9.1 J3_Pressure_Sensor10.1 Q1.3
pads on no net: CB_P1.1 CB_P1.6 CB_P1.M1 CB_P1.M2 CB_P2.1 CB_P2.6 CB_P2.M1 CB_P2.M2 CB_U2.5 SW1.0 uC.34 uC.36 uC.37

## Polygon pours and split planes (outlines as drawn)
no net on GND (split plane): 136.99,27.01 63.01,27.01 63.01,87.99 136.99,87.99
no net on PWR (split plane): 136.99,27.01 63.01,27.01 63.01,87.99 136.99,87.99

## Keep-outs
Keep-Out Layer:
  the board outline again, w0.254

## Text inside footprints (layer, text, board x,y; h text height)
P5: Top Overlay "2" at 84.12,66.008 h1.27 r180; Top Overlay "1" at 83.612,68.548 h1.27 r180; Top Overlay "9" at 69.896,68.548 h1.27 r180; Top Overlay "10" at 69.896,66.008 h1.27 r180
P6: Top Overlay "2" at 84.12,56.008 h1.27 r180; Top Overlay "1" at 83.612,58.548 h1.27 r180; Top Overlay "9" at 69.896,58.548 h1.27 r180; Top Overlay "10" at 69.896,56.008 h1.27 r180